# KiCad board cm0.kicad_pcb (continued)
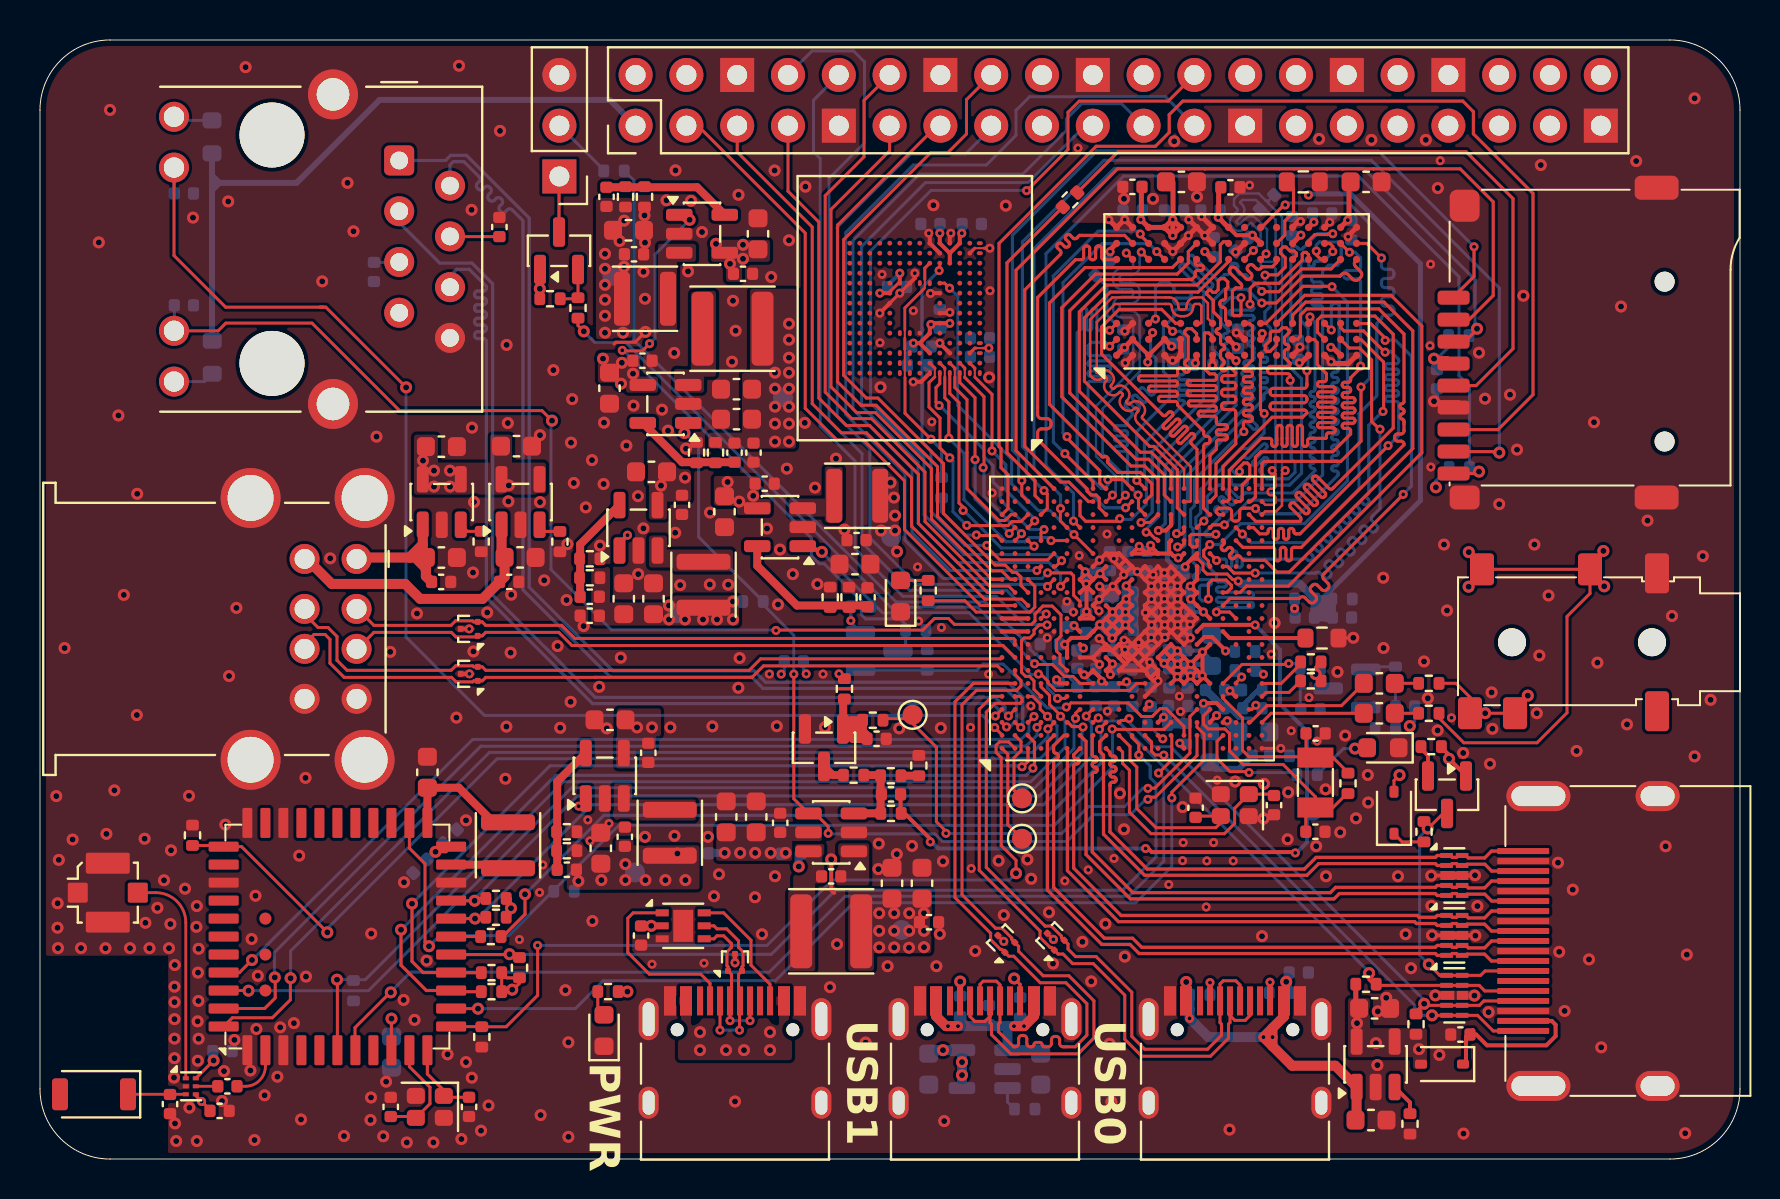
[diagram p0: board, top side]
## Routing (per net, layer and track width the routed paths; a pad name or vN(x,y) marks a point on that pad's centre or on a via; arc(x,y) is an arc through that point) (continued)
+1V2_SYSTEM: length 29.1
  Top w0.2: v1(54.28,26.72) U1.K11 ; v1(54.28,26.72) U1.L11 v1(54.28,27.37) ; v1(54.28,26.72) U1.L10 ; v1(54.28,26.72) U1.K10 ; U1.K11 53.62,26.72 ; U1.K11 v1(54.28,27.37) ; U1.K11 v1(53.62,27.37) ; v1(54.28,27.37) U1.L12 54.28,28.02 ; v1(54.28,27.37) U1.K12 ; 54.28,28.02 U1.L13 54.28,28.67 U1.L14 ; 54.28,28.02 U1.K12 ; U1.K10 53.95,26.4 v1(53.61,26.07) 53.3,26.38 U1.J10 ; U1.K10 53.62,26.72 ; U1.J10 53.3,26.4 ; U1.J10 52.97,26.72 ; U1.J10 53.62,26.72 ; U1.K12 v1(53.62,27.37) ; 53.62,26.72 U1.J11 ; U1.H10 52.69,26.4 ; U1.H10 52.97,26.72 ; U1.H10 52.33,26.08 51.56,26.08 51.23,25.75 v1(51.23,25.75) 51.23,25.75 51.35,25.63 U1.F8 ; 52.97,26.72 v1(52.99,26.74) U1.J11 ; v1(53.62,27.37) U1.J12 ; v1(53.62,27.37) U1.J11
  In2.Cu w0.4: 51,27.5 51,25.98 v1(51.23,25.75) ; 51,27.5 50.62,27.87 50.6,27.87 ; 51,27.5 50.6,27.9 50.1,27.9 49.8,27.6
  Bottom w0.25: v1(53.61,26.07) 53.64,26.04 C18.2
  Bottom w0.5: 51.19,25.72 51.18,25.74 50.96,25.74 ; 54.33,28.66 54.33,26.78 v1(54.28,26.72) ; v1(53.61,26.07) 53.61,26.19 54.15,26.72 v1(54.28,26.72) ; v1(53.61,26.07) 53.61,26.63 C17.1 ; v1(53.61,26.07) 53.61,26.21 53.08,26.74 v1(52.99,26.74) 53.07,26.74 53.62,27.29 v1(53.62,27.37) v1(54.28,27.37) 53.64,26.74 C17.1 ; v1(54.28,26.72) 53.52,26.72 C17.1 ; C21.2 C20.2
  vias: v1(54.31,28.67) v1(54.31,28.02) v2(36.75,39.35) v2(36.75,38.55) v2(36.75,37.65) v2(36.75,36.8) v2(36.75,35.9) v2(37.45,41.8) v2(37.45,41) v2(37.45,40.1) v2(37.45,39.35) v2(37.45,38.55) v2(37.45,37.65) v2(37.45,36.8) v2(37.45,35.9)
+1V5: length 37.9
  Top w0.157: v1(55.39,39.88) 55.43,39.92 U2.C1 ; 65.04,40.31 65.03,40.32
  Top w0.2: U1.U11 v1(58.17,27.38) U1.T12 57.85,27.7 v1(57.53,28.02) 57.85,28.34 U1.T13 ; U1.P16 56.67,30.18 57.08,30.18 U1.R16 56.98,30.08 v1(56.91,30.08) ; U1.P16 U1.N16 ; U1.P16 56.45,30.4 56.45,30.85 U1.P17 ; U2.D2 U2.C1 U2.B2 ; U1.N16 55.9,30.3 55.53,30.68 v1(55.53,30.71) 55.53,30.53 55.3,30.3 U1.M16 55.25,30.37 v1(54.96,30.66) 54.6,30.3 U1.L16 U1.N16 ; U1.T15 57.85,29 v1(57.51,28.67) 57.85,28.33 ; v1(60.62,46.23) 59.82,46.23 U2.H9
  Top w0.25: U2.D2 v1(56.58,40.67) ; U2.G7 v1(58.24,45.41) ; U2.A8 53.52,45.51 53.52,45.42 v1(53.5,45.41) ; U2.D9 v1(56.64,46.21) ; U2.D9 U2.C9 v1(55.04,47.01) 55.07,47.04 55.07,48.6 ; U2.D9 56.62,47.01 v1(56.64,47.01) ; v1(56.64,46.21) v1(56.64,47.01) ; v1(56.64,46.21) 56.64,46.23 U2.E9 v1(56.64,47.01) ; 56.65,48.88 56.65,47.02 v1(56.64,47.01) ; v1(60.62,46.23) 60.62,46.23 61.03,45.82 U2.K8 ; U2.N9 63.43,46.62 v1(63.69,46.89) ; v1(62.97,39.84) 63.05,39.84 U2.N1 ; U2.B2 U2.A1 v1(54.22,40.61) ; U2.K2 61.11,41.1 v1(61.11,41.31) ; U2.H2 v1(59.81,40.64) ; v1(64.54,40.62) 64.63,40.62 U2.R1 ; U2.R9 65.03,46.62 v1(65.39,46.98) 65.45,47.04 65.45,48.6 ; U2.F1 57.82,40.21 57.82,39.83 ; U2.H9 59.41,46.62 v1(58.91,47.12) 58.93,47.14 58.93,48.59
  Bottom w0.2: v1(58.17,27.38) 57.54,27.38 C37.2 57.53,27.48 v1(57.53,28.02) ; v1(56.64,47.01) 56.64,47.05 C56.1 ; C39.2 55.22,30.4 v1(54.96,30.66) 54.69,30.39 C36.2
  Bottom w0.25: C38.2 57.48,28.33 C37.2 ; C59.1 53.5,44.96 v1(53.5,45.41)
  Bottom w0.4: R15.2 62.73,27.13 C43.1
  vias: v1(57.77,39.83) v1(62.73,27.55) v2(42.05,31.45) v2(42.53,33.85) v2(42.7,33.1) v2(42.75,32.2) v2(42.75,31.45) v2(42.85,30.4)
+3V3_AVCC: length 58.4
  Top w0.15: 59.15,21.82 U1.V3 59.17,21.85 59.18,21.86 59.28,21.86 59.35,21.93 v1(59.36,21.93) ; v2(63.78,24.27) 63.78,24.6 R4.1 ; v1(39.95,24.28) 40.19,24.04 R31.1
  Top w0.2: U1.K6 54.21,23.8 54.31,23.9 ; v1(56.18,22.11) 56.07,22 56.05,22 U1.N3 ; v1(52.17,25.56) 52.17,25.58 U1.G9
  In2.Cu w0.15: 39.95,25.94 v1(39.95,24.28)
  In2.Cu w0.2: 40.61,25.96 40.54,26.03 v1(40.54,26.94)
  In2.Cu w0.25: 58.35,25.85 57.93,25.85 57.71,25.63 57.32,25.63 57.07,25.88 56.67,25.88 56.36,25.57 56.17,25.57
  In2.Cu w0.3: 54.42,24.99 54.8,25.37 55.24,25.37 55.24,25.37 ; 54.42,24.99 54.07,24.99 ; 54.42,24.99 54.87,24.99 54.93,25.05 ; 54.07,24.99 53.67,25.4 53.65,25.4 ; 54.07,24.99 54.33,24.74 ; 58.7,25.15 58.7,25.5 58.35,25.85 ; 55.95,25.57 56.35,25.57
  In2.Cu w0.4: v1(59.36,21.93) 59.41,21.93 59.5,22.01 59.5,22.15 ; 59.8,22.85 60.4,23.45 62.98,23.45 63.78,24.25 v2(63.78,24.27) ; 59.8,22.85 59.5,22.55 59.5,22.55 ; 59.8,22.85 59.2,22.85 ; v1(56.18,22.11) 56.04,22.24 56.04,22.98 55.16,23.87 54.34,23.87 v1(54.33,23.88) 54.33,23.89 54.33,24.74 54.61,24.74 55.44,25.57 56.17,25.57 ; 59.5,22.55 59.5,22.15 ; 59.5,22.55 59.2,22.85 ; 59.5,22.15 59.5,22.27 58.7,23.06 58.7,23.35 ; 58.7,23.35 59.2,22.85 ; 58.7,23.35 58.7,25.15
  In2.Cu w0.5: 52.34,25.4 53.65,25.4 ; 52.34,25.4 52.01,25.4 51.78,25.17 ; 52.34,25.4 v1(52.17,25.56) 51.78,25.17 ; v2(31.45,27) v2(34.65,27) 34.7,27.05 37.61,27.05 38.7,25.96 49.39,25.96 50.18,25.17 50.93,25.17 50.93,25.17 51.78,25.17
  Bottom w0.15: Q3.2 40.54,26.86 R18.1 v1(40.54,26.94)
  Bottom w0.5: R13.1 56.35,21.79 56.35,22.59 C9.2 ; C26.2 59.93,20.46 C25.1 59.39,21.9 59.36,21.9
  vias: v2(31.45,27.7) v2(32.25,27) v2(33.15,27) v2(33.85,27) v2(34.65,27.9)
+3V3_IO: length 75.2
  Top w0.15: J6.4 70.38,40.1 69.91,40.1 69.91,40.11 69.76,40.11 v2(69.7,40.05) ; Q5.1 24.99,44.5 v2(24.99,43.55) R70.1 ; D1.2 67.7,18.94 v2(67.98,19.21)
  Top w0.157: U22.J10 42.49,43.4 42.92,43.83 U22.K9
  Top w0.2: 52,24.45 U1.G7 52,24.34 52.11,24.24 v1(52.2,24.24) ; v1(52.2,24.24) 52.21,24.24 52.24,24.2 ; v1(52.2,24.24) 52.2,24.18 52.25,24.13 52.33,24.13 U1.H7 ; 52.97,29.32 52.98,29.32 v1(53,29.3) U1.J14 ; 52.97,29.32 U1.H14 ; 52.97,29.32 U1.J15 ; U1.H14 52.41,28.76 52.31,28.76 52.31,28.66 U1.G13 ; U1.H14 v1(52.26,29.39) 52.32,29.33 ; 52.32,29.33 52,29 U1.G14 U1.H13 ; 52.32,29.33 U1.G15 ; U22.C6 43.99,40.83 ; 43.99,40.83 v1(43.67,40.83) ; 43.99,40.83 U22.E6 44.49,41.71 v1(44.55,41.76) 44.61,41.83 U22.F5 45.48,41.83 v1(45.49,41.82) ; v1(52.32,27.4) 52.32,28.78 v1(52.31,28.79) ; v1(53.08,23.91) 53.08,24.02 U1.H7 ; U1.H7 U1.J6 ; v1(44.99,46.33) U22.P5 U22.N4 ; R46.1 70.07,20.6 70.45,20.22 v2(70.45,20.03) 71.3,19.18 Q4.1 ; U22.N4 U22.P3 45.99,46.23 v1(46.09,46.33) ; U22.N4 U22.M4 ; U22.K9 v1(42.99,44.33) ; U22.J10 v1(41.99,43.33) ; 52.39,27.31 U1.H11 U1.G11 52.26,27.31 C6.2 52.39,27.31
  In2.Cu w0.151: 49.96,28.42 50.1,28.28 51.18,28.28 51.69,28.79 v1(52.31,28.79)
  In2.Cu w0.5: v1(52.32,27.4) 52.32,28.65 52.31,28.66 52.31,28.76
  Bottom w0.15: R52.1 70.47,34.6 69.79,33.93 v2(69.79,33.61) ; R51.1 70.43,40.63 69.91,40.11 69.76,40.11 v2(69.7,40.05) ; v2(68.49,21.67) 68.73,21.91 68.73,22.64 C31.1 ; v1(38.31,24.28) 38.17,24.42 C69.2
  Bottom w0.2: v1(52.2,24.24) 52.25,24.19 52.25,24.12 52.3,24.07 52.31,24.07 52.78,23.6 52.78,23.64 52.9,23.75 52.92,23.75 v1(53.08,23.91) ; 43.7,40.66 43.38,40.34 R50.1 ; C115.2 69.85,40.05 69.83,40.07 69.72,40.07 v2(69.7,40.05) ; v1(45.49,41.82) 45.23,41.56 C120.2 44.75,41.56 v1(44.55,41.76) ; v1(42.99,44.33) 42.36,43.7 42.36,43.65 C119.1
  Bottom w0.25: R2.1 60.98,24.45 v1(61.17,24.26)
  Bottom w0.3: R66.1 8.6,49.22 ; 8.6,49.22 8.6,48.85 ; 8.6,49.22 8.97,48.85 ; 8.6,48.48 8.6,40.95 R65.1 ; 8.6,48.48 8.6,48.85 ; 8.6,48.48 8.97,48.85 ; 8.6,48.85 8.97,48.85 ; 8.97,48.85 12.83,48.85 16.98,53 28.49,53 J9.1
  Bottom w0.4: v2(37.94,14.64) 37.92,14.66 37.92,15.27 ; C11.2 52.61,29.43 C10.2 52.31,28.76 52.31,28.76
  Bottom w0.5: C1.2 C3.2
  vias: v2(28.25,45.3) v2(28.25,44.55) v2(28.25,43.75) v2(28.25,43) v2(28.25,42.2) v2(28.25,41.35) v2(28.98,45.94) v2(29.21,46.96) v2(29.2,44.65) v2(29.15,41.35)
+3V3_WIFI: length 13.6
  Top w0.15: v2(19.78,15.37) 20.3,15.37 U24.22 ; v2(17.58,7.02) 17.57,7.02 U24.9 ; 7.77,3.19 v1(8.08,2.88) 8.5,2.46 C126.1 ; U23.6 v2(8.68,4.93) ; R56.1 R55.1
  Top w0.157: R56.1 23.55,8.37 23.6,8.42 23.6,8.46 v2(23.61,8.47) 23.76,8.62 23.8,8.62 23.97,8.8 R59.1 23.34,9.06 R55.1 ; 23.55,12.53 23.22,12.2 23.22,12.18 R58.1 23.51,12.3 23.51,13.05 23.51,12.81 23.49,12.79 23.49,12.61 v2(23.55,12.55) 23.55,12.53
  Top w0.25: 20.56,15.64 U24.22
  Bottom w0.15: C123.1 v2(17.58,7.02)
  Bottom w0.3: v2(19.78,15.37) 20.16,15.76 C124.1 C125.1
  Bottom w0.4: v2(31.87,15.29) 31.88,15.3 C62.2
  vias: v2(26.92,13.91) v2(28.07,13.96) v2(29.27,14.76) v2(29.27,13.96) v2(30.27,13.96) v2(31.27,13.96) v2(32.27,13.96)
+5V: length 9.5
  Top w0.15: R69.2 v2(29.37,8.38)
  Top w0.2: C113.2 30.06,11.67 v2(30.56,11.67) U17.2 ; v1(29.37,31.22) 28.97,30.82 28.97,30.45 ; U3.1 27.29,17.87 27.07,17.66 v1(26.93,17.66)
  Top w0.25: C103.1 65.79,7.7 R49.2
  Bottom w0.15: v1(37.06,24.27) 37.21,24.42 C69.1
  Bottom w0.4: v2(34.24,15.32) 33.46,15.32 C62.1
  Bottom w0.5: C112.1 44.61,5.45 v2(45.15,5.45) U12.5 v2(46.1,4.85) v2(46.1,4.2) U12.4
  vias: v2(19.15,34.95) v2(19.7,34.45) v2(19.7,33.65) v2(20.5,34.45) v2(20.5,33.65) v2(23.44,33.71) v2(28.15,40.05) v2(29.09,39.85) v2(29.05,38.8) v2(29.65,39.3) v2(29.85,21.6) v2(30.6,21.6) v2(31.05,33.7) v2(32.25,34.1) v2(33,6.35) v2(33,5.45) v2(33.8,45.8) v2(34.3,5.45) v2(34.38,33.88) v2(34.5,44.8) v2(34.96,32.9) v2(35.01,15.32) v2(35.15,45.75) v2(35.15,45.05) v2(35.2,5.45) v2(35.66,33.19) v2(35.76,15.32) v2(36.5,6.35) v2(36.5,5.45) v2(36.53,15.32) v2(37.28,15.32) v2(65.85,6.8) v2(66.8,5.8) v2(68.95,5.5)
/H3/AGND: length 7.5
  Top w0.2: v1(58.83,22.19) 58.5,21.86 U1.U3
  Bottom w0.162: C28.1 59.41,22.56 59.91,22.06 60.57,22.06
  Bottom w0.2: C28.1 59.34,22.56
  Bottom w0.25: R9.2 60.91,23.47 60.59,23.15 60.59,23.14 60.38,22.93 60.37,22.93 60.14,22.7 C30.1
  Bottom w0.3: C26.1 59.95,19.52 58.82,19.52 C27.2
  Bottom w0.4: C29.2 58.29,23.47 59.2,22.56 C28.1
GND: length 115.9
  Top w0.1: 47.2,45.58 46.74,45.58
  Top w0.15: 70.94,37.9 69.88,37.9 69.87,37.92 v2(69.7,37.92) ; v2(30.27,41.39) 29.75,40.87 28.79,40.87 28.7,40.78 ; U22.N2 46.74,45.58 ; 61.77,17.16 61.84,17.23 ; 39.97,23.53 40.65,23.53 ; U1.AA1 61.7,20.55 ; U15.3 v1(48.19,10.89) ; 47.2,45.58 47.35,45.58 ; 60.58,17.16 60.58,16.97
  Top w0.151: U13.3 v1(50.67,10.99) ; U22.K8 v1(42.99,43.33) U22.H10
  Top w0.157: 58.65,40.18 58.63,40.2 U2.G1 ; v2(65.66,26.08) 65.65,26.07 64.93,26.07 ; 65.84,40.31 65.83,40.32
  Top w0.2: 56.87,26.08 U1.R9 57.52,26.07 57.52,26.08 v1(57.52,26.08) U1.R10 ; 56.87,26.08 56.88,26.08 U1.R10 ; 56.87,26.08 U1.M12 ; U1.L15 54.27,29.98 ; U1.L15 54.92,29.33 ; U1.L15 U1.K14 53.63,28.68 ; 54.27,29.98 54.27,29.97 U1.K15 ; 54.27,29.98 U1.K16 ; 53.02,25.47 U1.H8 ; 53.02,25.47 U1.J9 ; 53.02,25.47 53.58,25.47 ; U1.H8 52.65,25.07 52.89,24.83 52.9,24.83 v1(52.98,24.75) ; U1.H8 U1.G8 52.02,25.1 ; U1.H8 52.65,25.1 ; 53.62,29.98 53.63,29.98 v1(53.69,30.04) U1.K16 ; 53.62,29.98 U1.J16 ; 53.62,29.98 U1.K15 ; U1.L9 55.57,24.78 ; U1.L9 54.92,26.07 ; U1.L9 U1.K8 ; U1.L9 54.39,25.96 v1(54.2,25.96) 53.99,25.75 U1.K9 ; 55.57,24.78 v1(55.48,24.87) U1.N7 ; 55.57,24.78 55.25,24.45 U1.M7 ; 53.62,25.43 53.58,25.47 ; 53.62,25.43 53.63,25.43 U1.K9 ; 53.62,25.43 U1.K8 ; 53.58,25.47 U1.J9 ; 54.27,24.77 54.27,24.78 U1.K8 ; 54.27,24.77 54.28,24.78 ; 54.27,24.77 U1.L8 ; 54.27,24.77 U1.K7 U1.M7 ; U1.M11 55.27,27.07 v1(55.27,27.34) 55.54,27.34 ; U1.M11 55.54,27.34 ; U1.M11 U1.M12 ; U1.M11 v1(55.57,26.73) U1.N10 55.9,26.4 56.23,26.08 ; v1(45.49,42.37) 45.45,42.33 U22.G5 ; 53.95,28.34 U1.K13 v1(53.64,28.66) 53.63,28.67 53.63,28.68 ; U1.M14 U1.N15 v1(56.22,29.33) U1.R13 v1(56.88,28.03) v1(56.24,27.39) 54.92,26.07 ; 54.92,26.07 55.24,25.75 U1.M9 55.57,25.43 55.57,25.42 ; v1(55.9,23.92) U1.N7 ; v1(55.9,23.92) 55.9,23.79 55.26,23.15 U1.M5 ; v1(55.9,23.92) 55.68,23.92 55.53,24.08 ; U1.N7 55.53,24.08 55.53,24.08 ; U1.H12 52.65,27.7 52.92,27.43 v1(52.95,27.43) ; U1.H12 53.63,28.68 ; U1.H12 v1(52.96,28.01) ; U1.L8 v1(56.23,26.73) U1.R12 ; U1.L8 U1.K9 ; U1.K8 53.99,25.06 ; v1(44.52,43.32) 44.53,43.33 U22.J5 ; U1.J16 v1(52.97,29.97) U1.H15 ; U1.J16 U1.K16 ; 55.54,27.34 v1(56.87,28.67) U1.R14 56.87,29.33 ; 53.3,28.35 U1.J13 53.29,28.35 v1(52.98,28.65) ; U1.M12 v1(55.57,28.02) 56.87,29.32 56.87,29.33 ; v2(71.77,11.18) 71.76,11.19 U20.8 ; 54.92,29.33 v1(54.86,29.39) v1(56.21,28.04) v1(56.87,27.38) U1.R11 ; 54.92,29.33 54.93,29.33 U1.M15 v1(55.66,29.24) v1(56.21,28.69) 57.52,27.38 ; U1.M7 55.23,24.47 55.22,24.47 55.36,24.32 55.36,24.24 55.53,24.08 ; U1.M7 54.92,24.78 ; 57.52,27.38 U1.T11 57.53,26.73 ; 57.52,27.38 57.2,27.05 U1.R11 ; v1(52.96,26.05) 52.98,26.05 53.27,25.75 U1.J9 ; U22.P4 45.49,46.28 v1(45.54,46.33) ; 56.87,29.33 U1.P15 v1(55.57,28.67) U1.M13 U1.R10 ; v2(39.56,14.99) 39.56,13.47 39.71,13.32 ; U14.3 v1(21.47,24.28) ; 55.57,25.42 56.23,26.08 ; 55.57,25.42 U1.M8 54.93,24.78 54.92,24.78 ; v1(34.75,9.82) 34.75,9.83 U18.3 ; U20.3 69.61,11.19 v2(69.6,11.2) ; U1.R11 v1(56.89,26.74) v1(56.25,26.1) 56.23,26.08 ; U1.R11 57.2,27.05 v1(57.5,26.75) 57.53,26.73 ; v2(69.56,14.18) 69.57,14.19 U19.3 ; U22.K8 43.74,44.08 v1(43.74,44.33) ; U16.3 v1(21.46,26.53) ; U1.K15 53.95,29.65 54.18,29.42 v1(54.18,29.23) ; U1.M10 v1(55.56,26.09) U1.N9 ; 54.92,24.78 54.66,25.04 54.35,25.04 54.25,25.15 v1(54.25,25.5) ; U1.R10 57.53,26.73 ; 47.35,45.58 v1(47.49,45.58) ; U22.A6 44.05,38.89 v1(43.66,38.89) ; U1.A11 U1.C11 ; U22.C4 v1(44.99,40.83) ; v1(44.44,46.33) 44.49,46.28 U22.P6 U22.N5 ; v2(71.75,14.2) 71.74,14.19 U19.8 ; U22.H10 v1(41.99,42.33) ; U1.C10 U1.A10
  Top w0.25: v1(65.41,46.16) 65.44,46.19 65.44,46.23 U2.T9 ; v1(57.44,47.01) U2.F9 ; U2.F9 v1(58.24,46.21) ; U2.F9 57.83,46.62 v1(57.41,46.21) 57.03,45.82 U2.E8 57.03,45.8 v1(56.64,45.41) U2.D8 ; U2.M9 62.63,46.62 62.93,46.92 v1(63.03,46.92) ; U2.M1 62.96,40.55 62.96,40.6 v1(63,40.63) ; v1(54.26,39.84) 54.63,40.21 U2.B1 ; U2.T1 65.42,39.81 64.64,39.81 v1(64.55,39.9) U2.P1 ; v1(59.78,45.39) 59.81,45.42 59.83,45.42 U2.J8 ; U2.G1 58.63,39.73 v1(58.62,39.72) ; U2.B3 v1(54.24,41.43) ; U2.P9 64.23,46.62 v1(64.49,46.88) ; v1(58.24,46.21) 58.24,46.23 U2.G9 58.09,47.16 v1(58.08,47.16) ; v1(58.24,46.21) U2.G8 ; v1(59.82,41.34) 59.91,41.34 U2.J2 ; U2.B9 v1(54.24,47.01) 54.22,47.01 U2.A9 v1(53.44,47.01) ; U2.E2 U2.E1 56.77,39.96 v1(56.63,39.96) 56.62,39.95 56.5,39.95 U2.D1
  Top w0.4: U20.8 U20.3 ; U19.8 U19.3
  Bottom w0.15: C2.1 51.87,23.7 50.93,24.64 50.93,24.86
  Bottom w0.151: C59.2 53.34,43.65 53.34,42.23 54.08,41.49 C54.2
  Bottom w0.2: v2(69.7,37.92) 69.83,37.92 69.85,37.94 C115.1 ; C15.1 57.24,26.38 v1(56.89,26.74) ; 54.93,25.43 54.96,25.4 55.42,25.4
  vias: v1(23.97,10.98) v1(24.98,13.34) v1(25.14,14.72) v1(27.39,16.97) v1(27.5,15.92) v1(28.45,16.79) v1(30.6,9.75) v1(33.2,9.8) v1(36.47,24.27) v1(39.15,24.27) v1(42,40.85) v1(42.1,44.27) v1(43.67,42.45) v1(43.88,29.63) v1(43.93,26.92) v1(44.59,36.89) v1(45.07,26.6) v1(46.53,21.6) v1(46.56,14.54) v1(47.5,43.45) v1(47.43,24.26) v1(47.61,33.33) v1(49.54,22.67) v1(50.36,26.08) v1(51.24,13.92) v1(51.35,27.91) v1(51.67,27.37) v1(51.9,50.59) v1(51.96,30.2) v1(52.41,14.47) v1(53.35,31.27) v1(53.37,22.41) v1(53.7,15.04) v1(54.93,25.85) v1(56.44,13.74) v1(56.97,23.16) v1(57.03,22.39) v1(57.16,15.84) v1(57.13,14.93) v1(58.31,12.61) v1(58.34,14.92) v1(58.68,15.84) v1(58.86,18.96) v1(59.66,14.92) v1(60.48,48.73) v1(61.56,25.26) v1(62.04,20.55) v1(62.56,21.43) v1(63.45,23.09) v1(63.85,20.91) v1(69.5,40.7) v1(69.53,44.78) v1(69.54,34.63) v1(70.01,49.96) v1(70.58,22.08) v2(0.82,18.16) v2(0.88,12.8) v2(0.88,11.57) v2(0.9,10.55) v2(0.94,14.97) v2(1.23,25.57) v2(1.63,15.99) v2(2.05,10.55) v2(2.94,45.87) v2(3.28,10.55) v2(3.32,16.27) v2(3.5,52.5) v2(3.72,18.45) v2(3.92,37.21) v2(4.19,28.23) v2(4.5,10.55) v2(4.86,33.29) v2(4.84,22.22) v2(5.23,16.03) v2(5.27,11.82) v2(5.48,10.55) v2(5.87,12.57) v2(6.2,13.95) v2(6.45,10.55) v2(6.55,15.45) v2(6.52,11.76) v2(6.7,4.07) v2(6.74,9.71) v2(6.73,8.62) v2(6.73,7.85) v2(6.73,7) v2(6.73,6.02) v2(6.73,5.05) v2(6.75,1.78) v2(6.81,0.9) v2(7.25,13.53) v2(7.45,18.17) v2(7.47,2.57) v2(7.65,47.11) v2(7.84,12.66) v2(7.82,11.62) v2(7.9,9.33) v2(7.92,7.91) v2(7.88,6.89) v2(7.89,4.92) v2(7.84,0.9) v2(7.93,10.52) v2(7.93,6.02) v2(9.1,2.9) v2(9.2,4.4) v2(9.27,16.73) v2(9.41,47.92) v2(9.45,24.17) v2(9.72,5.96) v2(9.82,27.58) v2(10.28,54.64) v2(10.58,11.01) v2(10.52,4.43) v2(10.78,13.17) v2(10.73,0.95) v2(10.89,9.17) v2(10.82,6.51) v2(11.23,3.19) v2(11.87,4.12) v2(12.01,6.59) v2(12.7,6.8) v2(12.96,15.18) v2(13.05,1.98) v2(13.28,19.07) v2(13.3,9.13) v2(14.11,43.92) v2(14.51,30.06) v2(15.2,1.15) v2(15.38,48.85) v2(15.68,46.42) v2(16.56,11.28) v2(16.55,3.08) v2(16.53,1.95) v2(16.83,36.15) v2(17.16,1.14) v2(17.31,3.87) v2(17.51,25.38) v2(18.2,13.85) v2(18.18,7.96) v2(18.34,0.83) v2(18.73,6.96) v2(18.85,27.3) v2(19.33,9.93) v2(19.67,0.83) v2(20.38,5.24) v2(20.82,22.09) v2(20.95,54.71) v2(21.07,1) v2(21.3,16.95) v2(21.3,4.85) v2(21.58,47.5) v2(21.6,36.6) v2(21.59,4.07) v2(21.7,32.88) v2(21.65,29.35) v2(21.67,25.4) v2(22.05,1.42) v2(22.36,27.35) v2(22.43,2.68) v2(23,51.45) v2(23.32,21.64) v2(23.27,19.03) v2(23.33,40.74) v2(23.39,36.83) v2(23.42,32.91) v2(23.56,28.24) v2(23.53,25.34) v2(25,36.22) v2(25,32.87) v2(25.03,2.2) v2(25.21,28.96) v2(25.67,39.48) v2(25.88,25.67) v2(26.01,21.58) v2(26.27,8.45) v2(26.37,30.77) v2(26.33,27.97) v2(26.42,5.84) v2(26.42,1.11) v2(26.61,38.02) v2(26.55,35.85) v2(26.53,22.88) v2(26.69,33.83) v2(27.18,26.67) v2(27.29,32.61) v2(27.6,34.97) v2(27.62,11.91) v2(28,30.7) v2(27.96,23.63) v2(28.2,36.85) v2(28.18,33.78) v2(28.34,21.55) v2(29.04,25.09) v2(29.32,35.7) v2(29.68,37.7) v2(29.9,33.17) v2(29.91,29.27) v2(30.18,44.4) v2(30.17,31.56) v2(30.22,47.22) v2(30.25,45.86) v2(30.25,43.05) v2(30.25,16.12) v2(31.1,37.5) v2(31.33,47.97) v2(31.4,36.45) v2(31.52,21.6) v2(31.71,40.34) v2(31.78,49.47) v2(31.76,31.34) v2(31.72,16.17) v2(32.01,28.72) v2(32.3,35.55) v2(32.4,44.42) v2(32.55,47.95) v2(33.1,46.39) v2(33.4,16.12) v2(33.5,32.35) v2(33.49,28.75) v2(33.62,21.65) v2(33.7,13.15) v2(33.95,14.25) v2(34.41,28.74) v2(34.6,39.9) v2(34.65,42.95) v2(34.78,41.45) v2(34.75,2.88) v2(34.93,48.25) v2(34.98,25.07) v2(34.92,23.58) v2(35.75,13.1) v2(36.1,11.25) v2(36.35,31.55) v2(36.56,44.14) v2(36.73,49.47) v2(36.75,14.15) v2(36.9,27.75) v2(36.84,21.66) v2(37,30.5) v2(37.34,34.55) v2(37.45,45.97) v2(37.64,29.27) v2(38.27,48.66) v2(38.24,36.84) v2(38.75,33.6) v2(38.87,28.77) v2(39.25,21.61) v2(39.5,8.6) v2(39.8,35.05) v2(39.85,10.75) v2(40.22,31.5) v2(41.28,5.83) v2(41.94,15.78) v2(41.92,14.51) v2(42.03,38.62) v2(42.38,9.65) v2(42.84,15.26) v2(42.96,21.55) v2(43.6,15.67) v2(44.67,47.73) v2(44.82,9.65) v2(44.99,11.26) v2(45.04,21.57) v2(45.15,14.9) v2(45.21,1.9) v2(46.76,10.41) v2(47.46,39.11) v2(47.93,14.93) v2(48.19,12.21) v2(48.29,47.71) v2(49.37,14.99) v2(49.56,14.02) v2(50.45,12.35) v2(50.65,9.78) v2(52.12,10.87) v2(52.56,8.89) v2(53.27,11.77) v2(53.48,5.77) v2(53.57,2.86) v2(54,18.3) v2(54.2,48.05) v2(54.2,16.5) v2(54.24,10.13) v2(55.65,48.05) v2(56.71,50.93) v2(57.13,17.61) v2(57.85,48.15) v2(59.47,1.47) v2(59.76,18.89) v2(61.1,11.15) v2(61.2,18.78) v2(61.18,17.04) v2(61.73,26.83) v2(62.41,18.35) v2(62.38,16) v2(63.81,15.66) v2(63.95,51.05) v2(64.28,18.5) v2(64.3,14.15) v2(64.88,24.37) v2(65.01,16.35) v2(65.26,21.19) v2(65.8,17.05) v2(66.39,19.22) v2(66.41,17.84) v2(66.57,51) v2(66.89,7.39) v2(66.87,4.7) v2(67.16,29.09) v2(67.18,25.57) v2(67.31,8.07) v2(67.9,14.15) v2(68.28,11.25) v2(68.55,9.55) v2(69.2,24.9) v2(69.29,51) v2(69.39,23.06) v2(69.57,12.67) v2(69.77,8.19) v2(69.89,48.59) v2(69.88,21.45) v2(69.97,5.21) v2(70.2,30.75) v2(70.35,27.45) v2(71.16,20.32) v2(71.18,1.27) v2(71.72,8.18) v2(71.87,12.66) v2(71.95,40.35) v2(72.25,38.05) v2(72.5,19.77) v2(72.43,7.35) v2(72.58,23.35) v2(72.62,21.53) v2(72.96,32.77) v2(73.5,38.25) v2(73.85,35.5) v2(74.17,43.2) v2(74.72,30.75) v2(74.84,22.31) v2(74.97,25.2) v2(75.04,49.74) v2(75.43,28.2) v2(75.9,14.83) v2(75.96,10.37) v2(76.23,7.41) v2(76.64,13.48) v2(76.83,20.42) v2(77.45,9.99) v2(77.7,36.87) v2(77.87,24.84) v2(78.06,5.59) v2(79.05,42.66) v2(79.35,21.75) v2(79.81,49.94) v2(80.38,31.95) v2(81.28,15.65) v2(81.6,27.17) v2(82.26,1.29) v2(82.34,10.23) v2(82.73,53.08) v2(82.73,20.15) v2(83.14,30.17) v2(83.53,22.98)
VDD_CPUS: length 6.3
  Top w0.2: v1(55.47,22.76) 55.25,22.54 U1.M4 ; v1(53.62,24.77) 53.3,24.45 U1.J7 53.3,24.45 53.55,24.2 ; v1(53.62,24.77) 53.52,24.67 v1(53.52,24.25) ; v1(53.62,24.77) 53.3,25.1 U1.J8
  In2.Cu w0.4: v1(53.62,24.77) 53.62,23.83 54.1,23.35 54.78,23.35 55.34,22.79 55.44,22.79 v1(55.47,22.76)
  Bottom w0.4: C22.2 53.8,24.49 53.75,24.54
/Audio/AUDIO_L: length 5.3
  Top w0.15: U1.AA3 61.56,22.3 C137.2
/Audio/AUDIO_R: length 6.5
  Top w0.15: U1.Y3 60.51,21.85 61.35,22.69 65.08,22.69 C138.2
/DDR3/A0: length 24
  Top w0.157: v1(63.5,42.14) 63.48,42.12 63.48,41.97 63.43,41.92 U2.N3 ; U1.T17 57.85,30.68 57.8,30.63 57.62,30.63 57.5,30.75 57.5,31.18 57.57,31.25 58.78,31.25 v1(58.79,31.27)
  Bottom w0.157: v1(63.5,42.14) 63.5,42.12 63.75,41.87 63.75,38.52 arc(63.72,38.44) 63.65,38.41 63.61,38.41 arc(63.54,38.38) 63.51,38.31 63.51,38.26 arc(63.54,38.19) 63.61,38.16 63.65,38.16 arc(63.72,38.13) 63.75,38.05 63.75,38 arc(63.72,37.93) 63.65,37.9 63.61,37.9 arc(63.54,37.87) 63.51,37.8 63.51,37.75 arc(63.54,37.67) 63.61,37.64 63.65,37.64 arc(63.72,37.61) 63.75,37.54 63.75,37.49 arc(63.72,37.42) 63.65,37.39 63.61,37.39 arc(63.54,37.36) 63.51,37.28 63.51,37.23 arc(63.54,37.16) 63.61,37.13 63.65,37.13 arc(63.72,37.1) 63.75,37.03 63.75,36.98 arc(63.72,36.9) 63.65,36.87 63.61,36.87 arc(63.54,36.84) 63.51,36.77 63.51,36.72 arc(63.54,36.65) 63.61,36.62 63.65,36.62 arc(63.72,36.59) 63.75,36.51 63.75,36.46 arc(63.72,36.39) 63.65,36.36 63.61,36.36 arc(63.54,36.33) 63.51,36.26 63.51,36.21 arc(63.54,36.13) 63.61,36.1 63.65,36.1 arc(63.72,36.07) 63.75,36 63.75,35.95 arc(63.72,35.88) 63.65,35.85 63.61,35.85 arc(63.54,35.82) 63.51,35.74 63.51,35.69 arc(63.54,35.62) 63.61,35.59 63.65,35.59 arc(63.72,35.56) 63.75,35.49 63.75,35.44 arc(63.72,35.36) 63.65,35.33 63.61,35.33 arc(63.54,35.3) 63.51,35.23 63.51,35.18 arc(63.54,35.11) 63.61,35.08 63.65,35.08 arc(63.72,35.05) 63.75,34.98 63.75,34.92 arc(63.72,34.85) 63.65,34.82 63.61,34.82 arc(63.54,34.79) 63.51,34.72 63.51,34.67 arc(63.54,34.6) 63.61,34.57 63.65,34.57 arc(63.72,34.54) 63.75,34.46 63.75,34.44 62.64,33.33 60.24,33.33 60.03,33.12 arc(59.95,33.09) 59.88,33.12 59.52,33.48 arc(59.45,33.51) 59.37,33.48 59.34,33.44 arc(59.31,33.37) 59.34,33.3 59.7,32.94 arc(59.73,32.87) 59.7,32.79 59.66,32.76 arc(59.59,32.73) 59.52,32.76 59.16,33.12 arc(59.08,33.15) 59.01,33.12 58.98,33.08 arc(58.95,33.01) 58.98,32.94 59.34,32.57 arc(59.37,32.5) 59.34,32.43 59.3,32.39 arc(59.23,32.36) 59.16,32.39 58.94,32.61 arc(58.86,32.64) 58.79,32.61 58.75,32.58 arc(58.72,32.5) 58.75,32.43 58.97,32.21 arc(59,32.14) 58.97,32.07 58.26,31.35 58.26,31.23 58.33,31.16 58.69,31.16 v1(58.79,31.27)
/DDR3/A1: length 23.9
  Top w0.157: v1(59.22,31.74) 59.04,31.74 59.04,31.74 58.64,31.74 U1.U18 ; v1(63.81,45.43) 63.81,45.24 64.04,45.02 U2.P7
  Bottom w0.157: v1(63.81,45.43) 63.81,45.73 63.97,45.89 64.88,45.89 65.06,45.71 65.06,44.91 64.88,44.73 64.42,44.73 64.13,44.44 64.13,44.29 arc(64.1,44.21) 64.01,44.18 63.7,44.18 arc(63.61,44.14) 63.58,44.06 63.58,44 arc(63.61,43.92) 63.7,43.89 64.01,43.89 arc(64.1,43.85) 64.13,43.77 64.13,43.71 arc(64.1,43.63) 64.01,43.6 63.7,43.6 arc(63.61,43.56) 63.58,43.48 63.58,43.42 arc(63.61,43.34) 63.7,43.31 64.01,43.31 arc(64.1,43.27) 64.13,43.19 64.13,43.13 arc(64.1,43.05) 64.01,43.02 63.7,43.02 arc(63.61,42.98) 63.58,42.9 63.58,42.84 arc(63.61,42.76) 63.7,42.73 64.01,42.73 arc(64.1,42.69) 64.13,42.61 64.13,34.23 62.87,32.97 60.47,32.97 59.23,31.74 v1(59.22,31.74)
/DDR3/A2: length 23.8
  Top w0.157: v1(60.77,32.55) 60.77,32.55 60.75,32.57 60.15,32.57 arc(60.03,32.52) 59.98,32.41 59.98,32.09 arc(59.94,31.97) 59.82,31.92 59.74,31.92 arc(59.62,31.97) 59.57,32.09 59.57,32.41 arc(59.53,32.52) 59.41,32.57 58.94,32.57 58.82,32.45 58.82,32.36 58.93,32.25 U1.V19 ; U2.P3 v1(64.56,41.49)
  Bottom w0.157: v1(60.77,32.55) 61.04,32.29 62.97,32.29 64.91,34.23 64.91,34.33 arc(64.88,34.4) 64.81,34.43 64.69,34.43 arc(64.62,34.46) 64.59,34.53 64.59,34.59 arc(64.62,34.66) 64.69,34.69 64.81,34.69 arc(64.88,34.72) 64.91,34.79 64.91,34.85 arc(64.88,34.92) 64.81,34.95 64.69,34.95 arc(64.62,34.98) 64.59,35.05 64.59,35.11 arc(64.62,35.18) 64.69,35.21 64.81,35.21 arc(64.88,35.24) 64.91,35.31 64.91,35.37 arc(64.88,35.44) 64.81,35.47 64.69,35.47 arc(64.62,35.5) 64.59,35.57 64.59,35.63 arc(64.62,35.7) 64.69,35.73 64.81,35.73 arc(64.88,35.76) 64.91,35.83 64.91,35.89 arc(64.88,35.96) 64.81,35.99 64.69,35.99 arc(64.62,36.02) 64.59,36.09 64.59,36.15 arc(64.62,36.22) 64.69,36.25 64.81,36.25 arc(64.88,36.28) 64.91,36.35 64.91,36.41 arc(64.88,36.48) 64.81,36.51 64.69,36.51 arc(64.62,36.54) 64.59,36.61 64.59,36.67 arc(64.62,36.74) 64.69,36.77 64.81,36.77 arc(64.88,36.8) 64.91,36.87 64.91,36.93 arc(64.88,37) 64.81,37.03 64.69,37.03 arc(64.62,37.06) 64.59,37.13 64.59,37.19 arc(64.62,37.26) 64.69,37.29 64.81,37.29 arc(64.88,37.32) 64.91,37.39 64.91,37.45 arc(64.88,37.52) 64.81,37.55 64.69,37.55 arc(64.62,37.58) 64.59,37.65 64.59,37.71 arc(64.62,37.78) 64.69,37.81 64.81,37.81 arc(64.88,37.84) 64.91,37.91 64.91,37.97 arc(64.88,38.04) 64.81,38.07 64.69,38.07 arc(64.62,38.1) 64.59,38.17 64.59,38.23 arc(64.62,38.3) 64.69,38.33 64.81,38.33 arc(64.88,38.36) 64.91,38.43 64.91,38.49 arc(64.88,38.56) 64.81,38.59 64.69,38.59 arc(64.62,38.62) 64.59,38.69 64.59,38.75 arc(64.62,38.82) 64.69,38.85 64.81,38.85 arc(64.88,38.88) 64.91,38.95 64.91,39.01 arc(64.88,39.08) 64.81,39.11 64.69,39.11 arc(64.62,39.14) 64.59,39.21 64.59,39.27 arc(64.62,39.34) 64.69,39.37 64.81,39.37 arc(64.88,39.4) 64.91,39.47 64.91,39.67 64.96,39.72 64.96,42.73 64.87,42.82 64.69,42.82 64.56,42.7 v1(64.56,41.49)